# KiCad board PC110.kicad_pcb
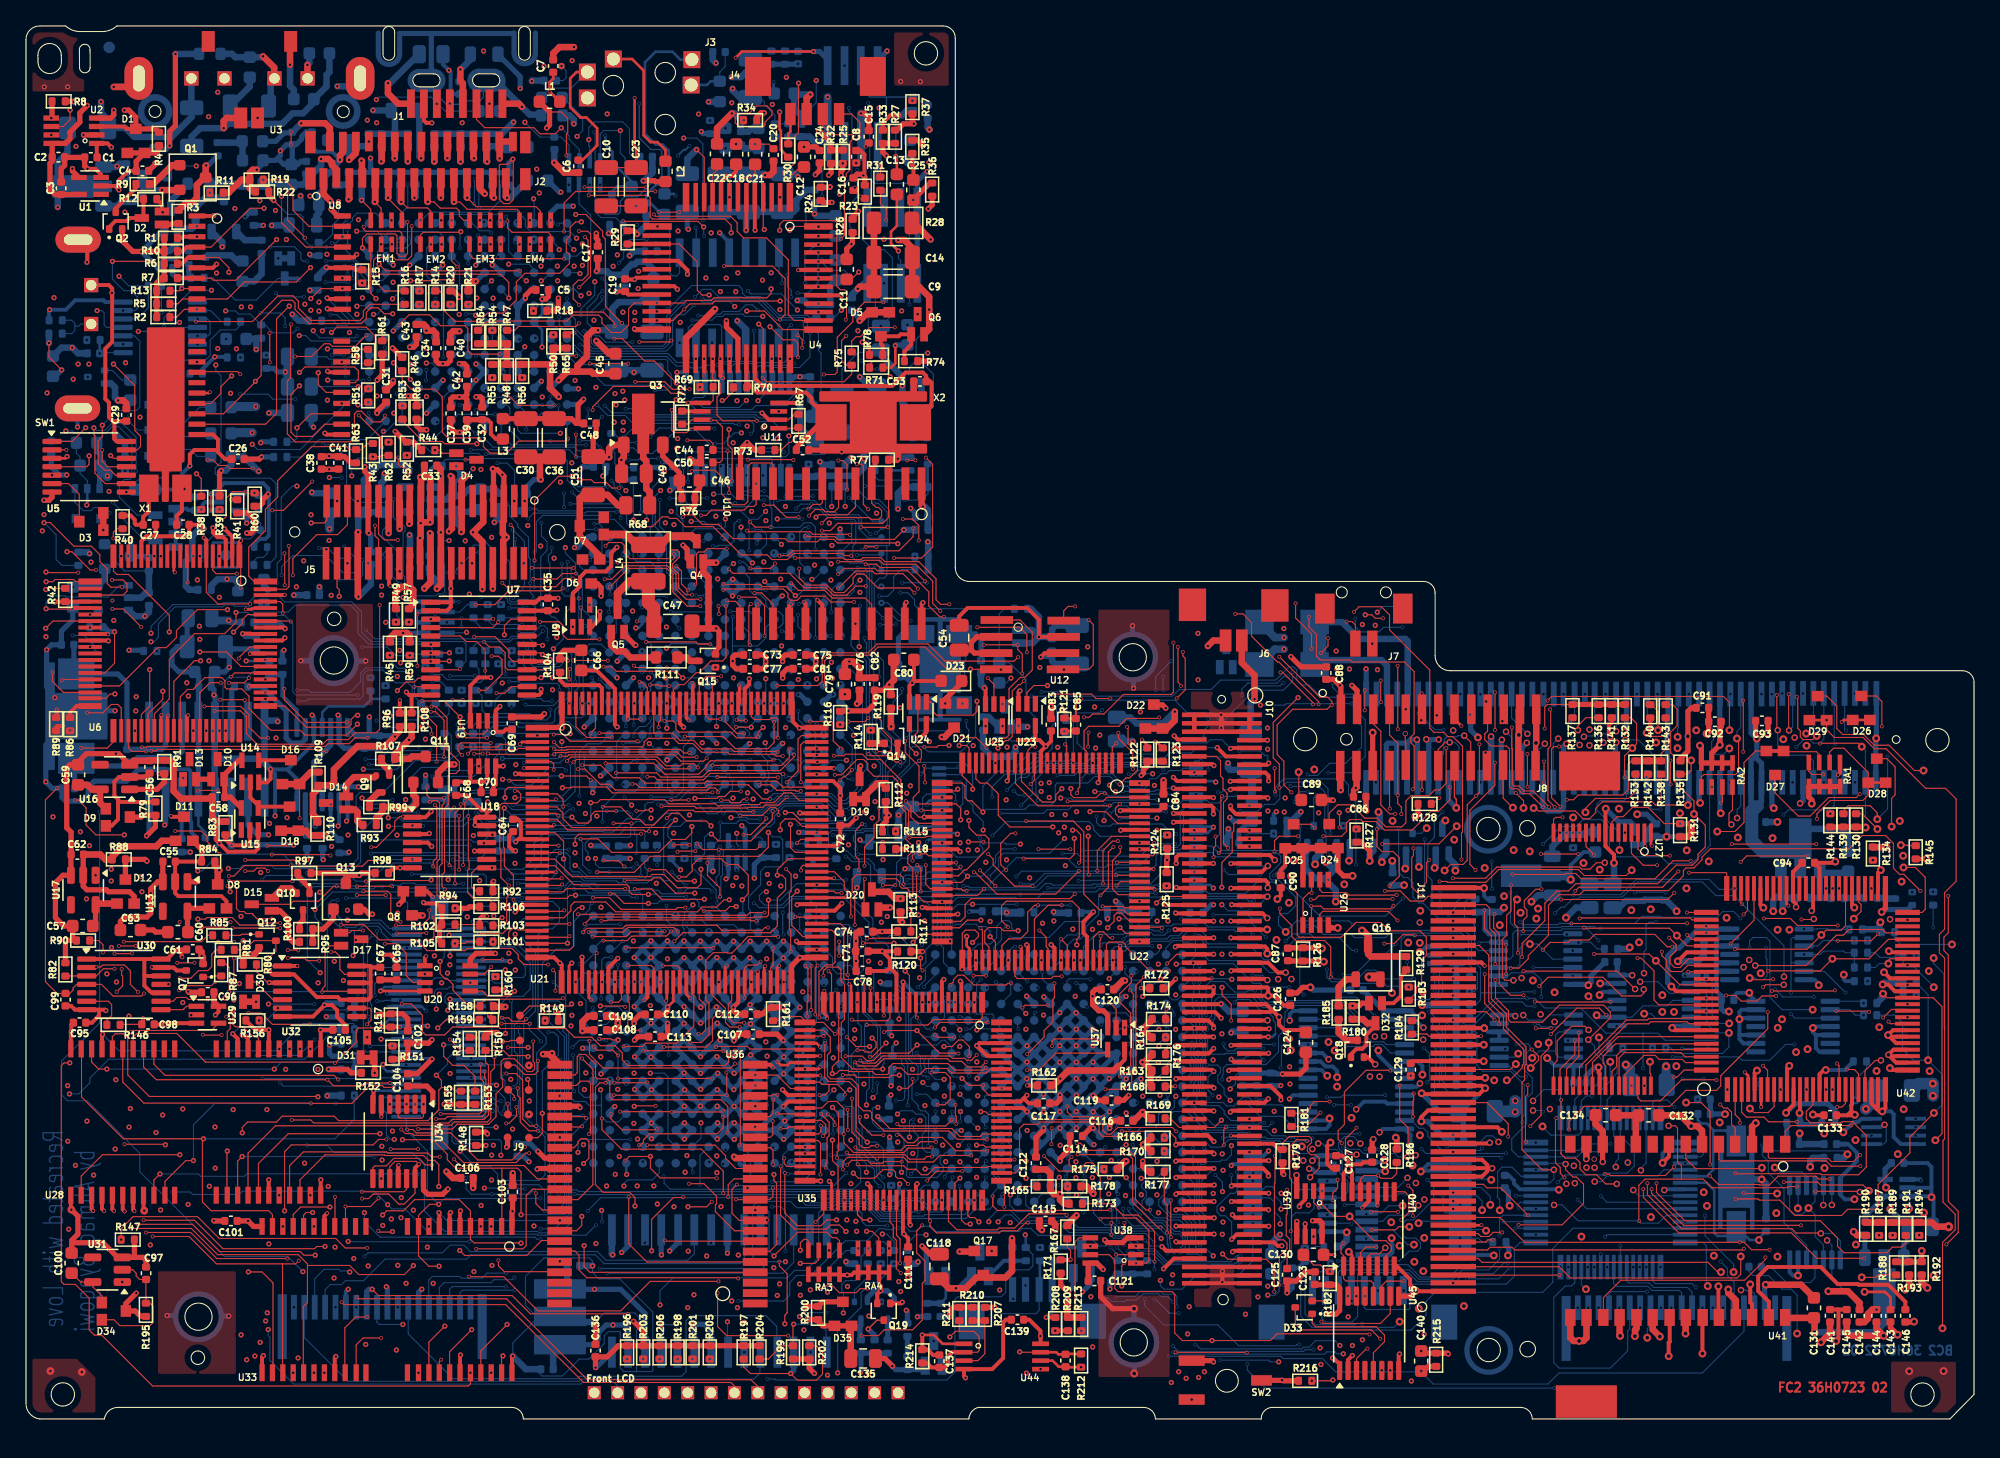
[diagram p0: board, top side]
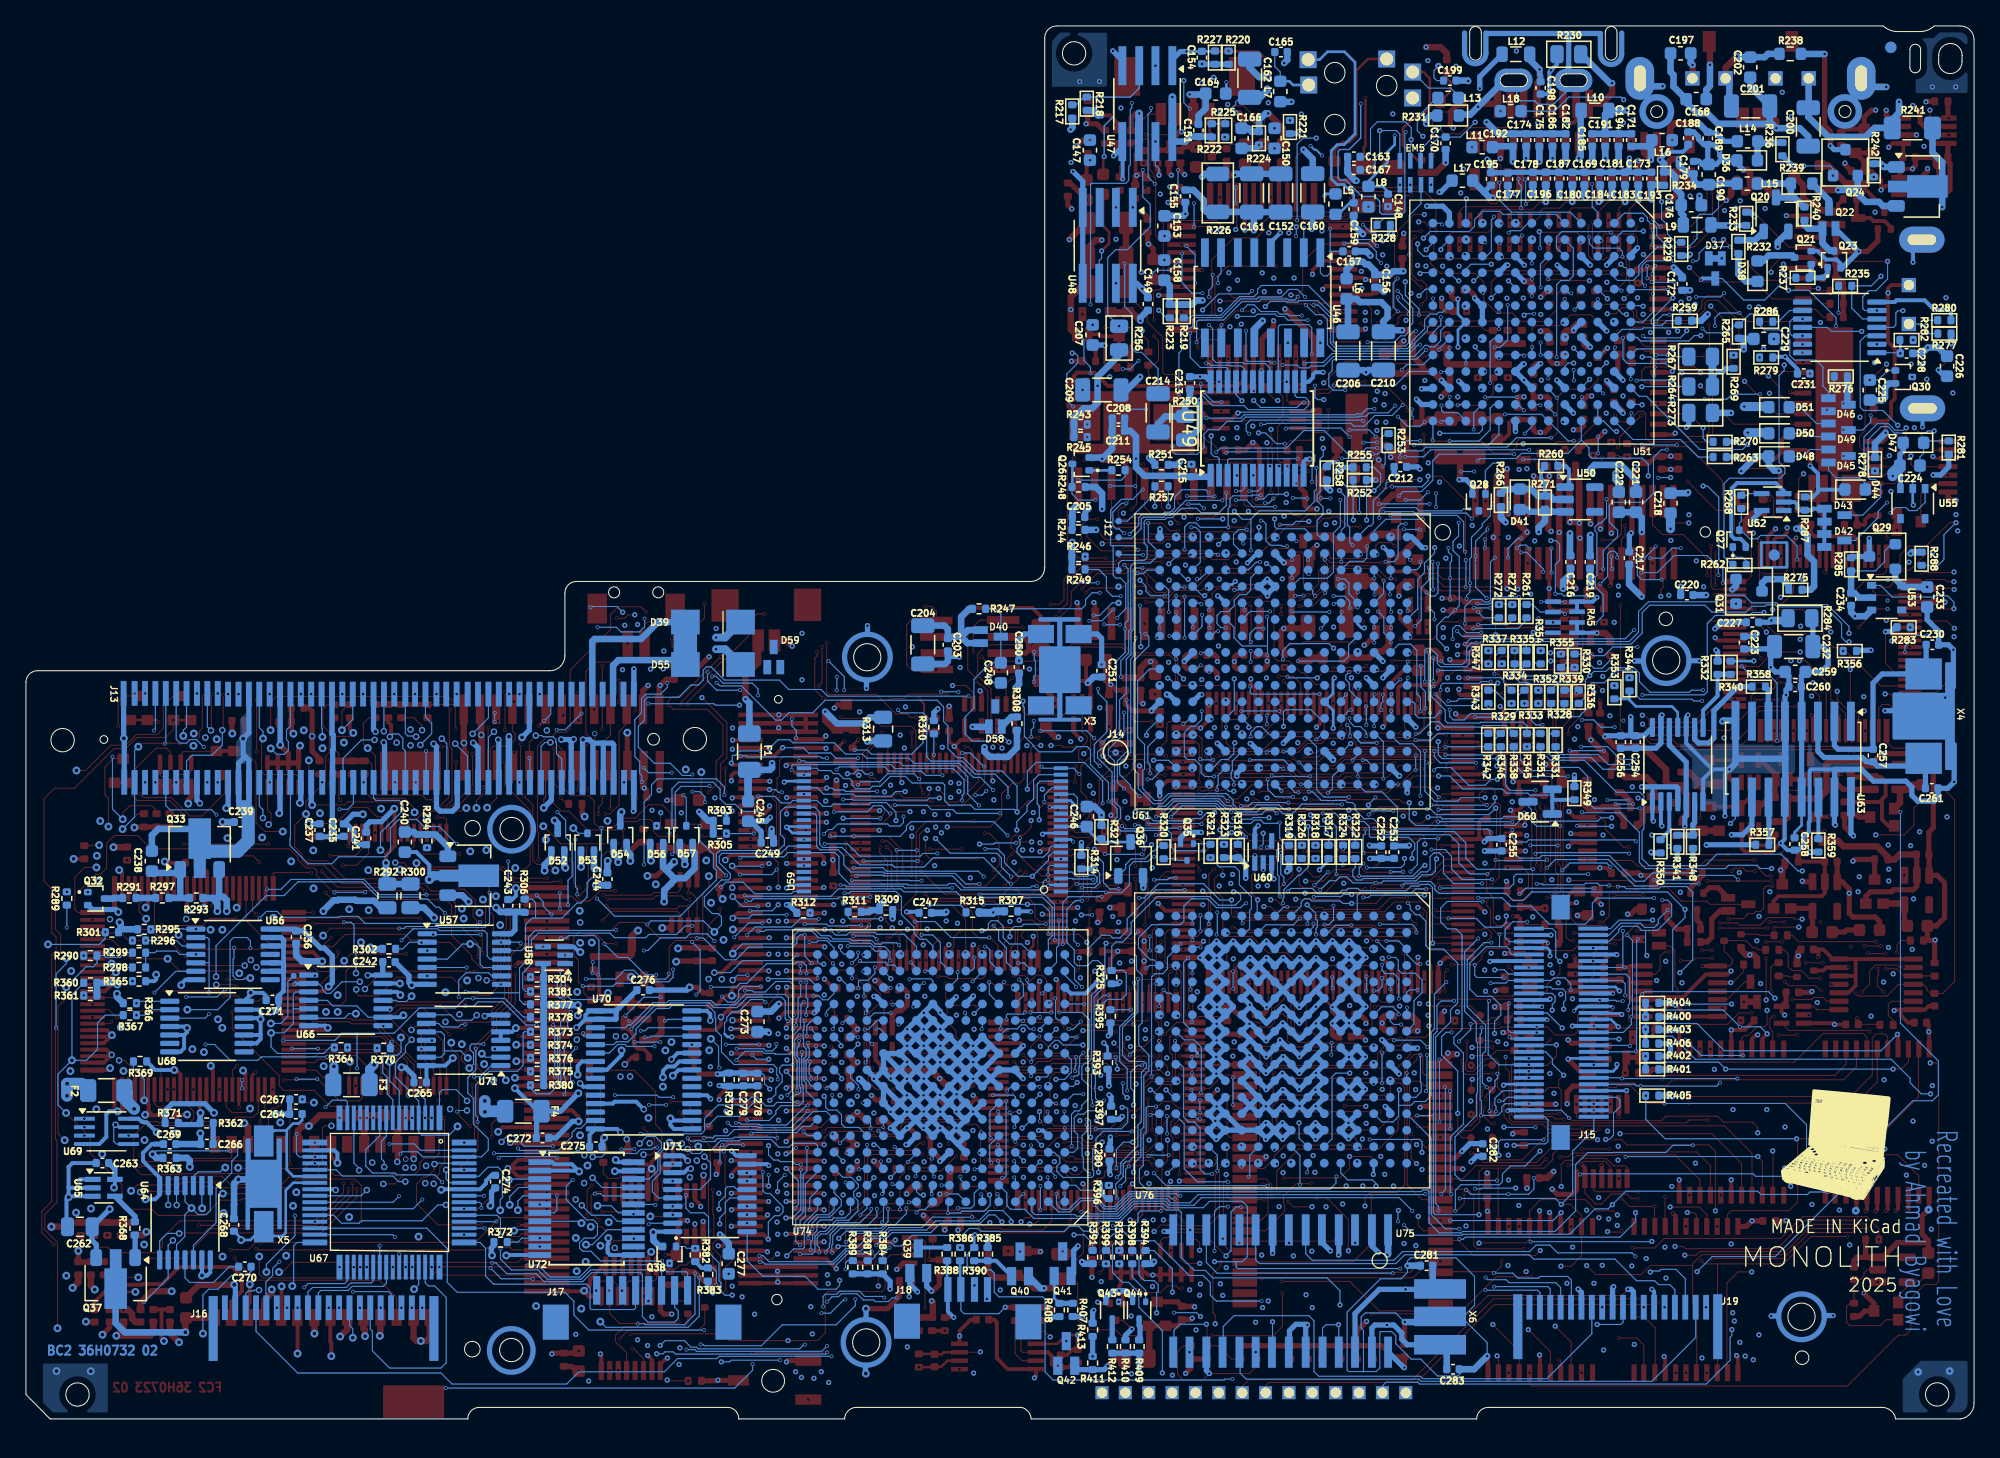
[diagram p1: board, bottom side, seen from below]

Outline 150.05 x 107.35 mm; copper layers: FC2, FC1, IP1 (plane), IC1, IC2, IC3, IC4, IP2 (plane), BC1, BC2. Coordinates in mm from the lower left corner of the outline.
Outline path: circle c2.84,1.89 r0.9 ; circle c13.24,4.72 r0.52 ; circle c13.29,7.88 r1.05 ; circle c20.7,68.36 r0.4 ; circle c23.71,58.45 r1.05 ; circle c23.74,61.66 r0.52 ; circle c40.93,68.33 r0.6 ; circle c69.32,105.24 r0.9 ; circle c85.25,58.7 r1.05 ; circle c85.33,5.9 r1.05 ; circle c92.1,55.46 r0.3 ; circle c92.21,9.2 r0.4 ; circle c92.5,2.94 r0.88 ; circle c98.53,52.39 r0.9 ; circle c101.71,52.38 r0.45 ; circle c112.64,45.46 r0.9 ; circle c112.67,5.31 r0.9 ; circle c115.65,45.52 r0.6 ; circle c115.67,5.38 r0.6 ; circle c144.05,52.36 r0.3 ; circle c146.08,1.88 r0.9 ; circle c147.23,52.31 r0.9 ; 72.62,0 38.31,0 arc(38.04,0.64) 37.4,0.89 7.08,0.89 arc(6.4,0.63) 6.04,0 1.07,0 arc(0.3,0.4) 0,1.21 0,106.3 arc(0.32,107.05) 1.08,107.35 3.06,107.35 arc(3.55,107.04) 4.11,106.92 5.93,106.92 arc(6.5,107.04) 6.99,107.35 70.62,107.35 arc(71.31,107.08) 71.58,106.4 71.58,65.61 arc(71.89,64.85) 72.66,64.54 107.66,64.54 arc(108.29,64.27) 108.54,63.64 108.54,58.8 arc(108.89,57.98) 109.72,57.66 149.19,57.66 arc(149.79,57.4) 150.05,56.79 150.05,1.89 148.19,0 116.02,0 arc(115.76,0.63) 115.13,0.89 95.95,0.89 arc(95.37,0.6) 95.15,0 87,0 arc(86.72,0.63) 86.09,0.89 73.36,0.89 arc(72.85,0.57) 72.62,0 ; 0.92,105.1 0.93,104.58 arc(1.83,103.68) 2.73,104.58 2.72,105.1 arc(1.82,106) 0.92,105.1 ; 4.12,105.53 4.12,104.15 arc(4.54,103.74) 4.95,104.15 4.94,105.53 arc(4.53,105.94) 4.12,105.53
Stack: FC2 0.0175mm / dielectric 0.081mm FR4 er 4.5 / FC1 0.0175mm / dielectric 0.095mm FR4 er 4.5 / IP1 0.0175mm / dielectric 0.103mm FR4 er 4.5 / IC1 0.0175mm / dielectric 0.095mm FR4 er 4.5 / IC2 0.0175mm / dielectric 0.103mm FR4 er 4.5 / IC3 0.0175mm / dielectric 0.095mm FR4 er 4.5 / IC4 0.0175mm / dielectric 0.103mm FR4 er 4.5 / IP2 0.0175mm / dielectric 0.095mm FR4 er 4.5 / BC1 0.0175mm / dielectric 0.081mm FR4 er 4.5 / BC2 0.0175mm

## Placement (name value [footprint] x y rotation side)
C1  DNP  [C_0402_1005Metric]  5 97.22 0 top  (not fitted)
C2  150nF  [C_0402_1005Metric]  2.5 97.24 0 top
C3  100nF  [C_0402_1005Metric]  2.71 94.84 90 top
C4  1nF  [C_0402_1005Metric]  8.97 96.18 0 top
C5  150nF  [C_0402_1005Metric]  39.76 87 0 top
C6  DNP  [C_0402_1005Metric]  42.55 96.53 90 top  (not fitted)
C7  100nF  [C_0402_1005Metric]  40.61 104.26 90 top
C8  150nF  [C_0402_1005Metric]  63.95 97.27 90 top
C9  10uF  [C_1206_3216Metric]  66.79 87.26 0 top
C10  DNP  [C_1206_3216Metric]  44.7 94.96 90 top  (not fitted)
C11  270nF  [C_0603_1608Metric]  63.22 88.59 90 top
C12  250nF  [C_0603_1608Metric]  59.93 97.26 90 top
C13  270nF  [C_0603_1608Metric]  67.08 95.14 90 top
C14  10uF  [C_1206_3216Metric]  66.79 89.51 0 top
C15  1nF  [C_0402_1005Metric]  64.92 98.81 90 top
C16  100pF  [C_0402_1005Metric]  63.73 95.16 90 top
C17  150nF  [C_0402_1005Metric]  44.04 89.91 90 top
C18  270nF  [C_0603_1608Metric]  54.7 97.47 90 top
C19  150nF  [C_0402_1005Metric]  46.15 87.37 90 top
C20  1.5nF  [C_0402_1005Metric]  57.58 97.41 90 top
C21  270nF  [C_0603_1608Metric]  56.16 97.47 90 top
C22  270nF  [C_0603_1608Metric]  53.23 97.49 90 top
C23  10uF  [C_1206_3216Metric]  47 94.96 90 top
C24  DNP  [C_0402_1005Metric]  61.13 97.27 90 top  (not fitted)
C25  270nF  [C_0603_1608Metric]  68.35 94.71 90 top
C26  150nF  [C_0402_1005Metric]  16.33 73.97 0 top
C27  18pF  [C_0402_1005Metric]  9.51 68.91 0 top
C28  18pF  [C_0402_1005Metric]  12.09 68.91 0 top
C29  120nF  [C_0402_1005Metric]  7.73 77.38 90 top
C30  10uF  [C_1206_3216Metric]  38.51 75.61 90 top
C31  150nF  [C_0402_1005Metric]  27.74 78.83 90 top
C32  150nF  [C_0402_1005Metric]  35.14 77.49 90 top
C33  150nF  [C_0402_1005Metric]  31.17 73.47 0 top
C34  1nF  [C_0402_1005Metric]  31.59 82.52 90 top
C35  150nF  [C_0402_1005Metric]  40.2 62.77 90 top
C36  10uF  [C_1206_3216Metric]  40.68 75.61 90 top
C37  1nF  [C_0402_1005Metric]  32.72 77.49 90 top
C38  1nF  [C_0402_1005Metric]  22.77 73.68 90 top
C39  150nF  [C_0402_1005Metric]  33.96 77.49 90 top
C40  1nF  [C_0402_1005Metric]  32.68 82.52 90 top
C41  120nF  [C_0402_1005Metric]  24.07 73.68 90 top
C42  150nF  [C_0402_1005Metric]  33.96 80.05 90 top
C43  1nF  [C_0402_1005Metric]  30.08 83.87 90 top
C44  5.6nF  [C_0402_1005Metric]  52.44 74.67 0 top
C45  270nF  [C_0603_1608Metric]  45.4 81.33 90 top
C46  10nF  [C_0603_1608Metric]  51.11 72.32 0 top
C47  5.6uF  [C_1206_3216Metric]  49.83 61.09 0 top
C48  330nF  [C_0402_1005Metric]  43.44 76.72 0 top
C49  2.2uF  [C_0805_2012Metric]  46.83 72.85 0 top
C50  DNP  [C_0402_1005Metric]  52.44 73.71 0 top  (not fitted)
C51  10uF  [C_1206_3216Metric]  43.69 72.69 90 top
C52  22pF  [C_0402_1005Metric]  59.82 74.67 0 top
C53  22pF  [C_0402_1005Metric]  68.86 79.96 0 top
C54  2.7uF  [C_0805_2012Metric]  71.88 60.21 90 top
C55  100nF  [C_0402_1005Metric]  11.03 42.95 0 top
C56  100nF  [C_0402_1005Metric]  9.52 50.25 90 top
C57  100nF  [C_0603_1608Metric]  4.37 37.99 0 top
C58  100nF  [C_0402_1005Metric]  14.83 47.92 0 top
C59  10nF  [C_0603_1608Metric]  4.01 49.64 90 top
C60  100nF  [C_0603_1608Metric]  11.7 37.52 0 top
C61  180nF  [C_0402_1005Metric]  12.85 36.18 0 top
C62  120nF  [C_0402_1005Metric]  3.96 43.5 0 top
C63  100nF  [C_0603_1608Metric]  8.05 37.68 0 top
C64  1nF  [C_0402_1005Metric]  37.52 45.74 90 top
C65  150nF  [C_0402_1005Metric]  28.54 34.32 90 top
C66  1uF  [C_0603_1608Metric]  42.78 58.46 90 top
C67  100nF  [C_0402_1005Metric]  27.29 34.32 90 top
C68  100nF  [C_0402_1005Metric]  33.13 48.54 90 top
C69  1nF  [C_0402_1005Metric]  37.43 53.62 90 top
C70  100nF  [C_0402_1005Metric]  35.53 48.3 0 top
C71  1nF  [C_0402_1005Metric]  64.39 36.04 0 top
C72  100nF  [C_0402_1005Metric]  62.72 46.22 90 top
C73  120nF  [C_0402_1005Metric]  55.75 58.88 0 top
C74  180nF  [C_0402_1005Metric]  64.76 37.55 0 top
C75  100nF  [C_0402_1005Metric]  59.57 58.88 0 top
C76  100nF  [C_0402_1005Metric]  64.2 56.64 90 top
C77  1nF  [C_0402_1005Metric]  55.75 57.81 0 top
C78  1nF  [C_0402_1005Metric]  64.43 34.52 0 top
C79  1uF  [C_0603_1608Metric]  63.08 56.62 90 top
C80  1uF  [C_0603_1608Metric]  67.62 58.5 0 top  (not fitted)
C81  1nF  [C_0402_1005Metric]  59.57 57.81 0 top
C82  100nF  [C_0402_1005Metric]  65.37 56.64 90 top
C83  100nF  [C_0402_1005Metric]  78.95 53.5 90 top
C84  100nF  [C_0402_1005Metric]  87.62 47.68 90 top
C85  1nF  [C_0402_1005Metric]  80.87 53.5 90 top
C86  180nF  [C_0402_1005Metric]  102.73 47.95 0 top
C87  120nF  [C_0402_1005Metric]  97.2 35.8 90 top
C88  180nF  [C_0402_1005Metric]  100.15 57.48 90 top
C89  470nF  [C_0603_1608Metric]  99.01 47.7 0 top
C90  120nF  [C_0402_1005Metric]  96.65 41.41 90 top
C91  100nF  [C_0402_1005Metric]  129.13 54.8 0 top
C92  120nF  [C_0402_1005Metric]  130.09 53.73 0 top
C93  100nF  [C_0402_1005Metric]  133.71 53.8 0 top
C94  100nF  [C_0402_1005Metric]  137.29 42.86 0 top
C95  150nF  [C_0402_1005Metric]  4.13 30.54 0 top
C96  150nF  [C_0402_1005Metric]  14 32.88 0 top
C97  100nF  [C_0402_1005Metric]  9.25 11.23 90 top
C98  330pF  [C_0402_1005Metric]  9.4 30.41 0 top
C99  100pF  [C_0402_1005Metric]  3.05 32.31 90 top
C100  10nF  [C_0603_1608Metric]  3.52 12.01 90 top
C101  180nF  [C_0402_1005Metric]  15.79 15.26 0 top
C102  120nF  [C_0402_1005Metric]  29.41 29.44 90 top
C103  150nF  [C_0402_1005Metric]  37.49 17.51 90 top
C104  150nF  [C_0402_1005Metric]  29.42 26.13 90 top
C105  150nF  [C_0402_1005Metric]  24.12 29.98 0 top
C106  1nF  [C_0402_1005Metric]  33.97 18.57 0 top
C107  1nF  [C_0402_1005Metric]  56.01 29.65 0 top
C108  150nF  [C_0402_1005Metric]  44.24 29.97 0 top
C109  180nF  [C_0402_1005Metric]  44.24 31.05 0 top
C110  1nF  [C_0402_1005Metric]  48.17 31.17 0 top
C111  1nF  [C_0402_1005Metric]  67.95 12.78 90 top
C112  150nF  [C_0402_1005Metric]  55.84 31.2 0 top
C113  120nF  [C_0402_1005Metric]  48.45 29.46 0 top
C114  100nF  [C_0402_1005Metric]  80.9 21.8 180 top
C115  100nF  [C_0402_1005Metric]  78.53 15.25 180 top
C116  100nF  [C_0402_1005Metric]  84.8 22.98 180 top
C117  100nF  [C_0402_1005Metric]  78.39 24.33 180 top
C118  2.7uF  [C_0805_2012Metric]  70.36 11.75 90 top
C119  100nF  [C_0402_1005Metric]  83.62 24.55 180 top
C120  100nF  [C_0402_1005Metric]  83.3 33.1 180 top
C121  100nF  [C_0402_1005Metric]  82.3 10.64 0 top
C122  100nF  [C_0402_1005Metric]  77.8 19.71 90 top
C123  150nF  [C_0402_1005Metric]  99.27 10.85 90 top
C124  150nF  [C_0603_1608Metric]  98.59 29.02 90 top
C125  1nF  [C_0402_1005Metric]  97.14 11.11 90 top
C126  150nF  [C_0402_1005Metric]  97.38 32.35 90 top
C127  100nF  [C_0402_1005Metric]  100.91 19.81 90 top
C128  150nF  [C_0402_1005Metric]  103.69 20.27 90 top
C129  100nF  [C_0402_1005Metric]  106.66 26.92 90 top
C130  1uF  [C_0603_1608Metric]  99.17 12.65 0 top
C131  10nF  [C_0603_1608Metric]  137.72 8.56 90 top
C132  100nF  [C_0603_1608Metric]  124.98 23.4 0 top
C133  100nF  [C_0402_1005Metric]  138.97 23.4 0 top
C134  150nF  [C_0603_1608Metric]  121.67 23.41 0 top
C135  2.7uF  [C_0805_2012Metric]  64.48 4.66 0 top
C136  150nF  [C_0402_1005Metric]  43.87 5.27 90 top
C137  1nF  [C_0402_1005Metric]  70.35 4.45 90 top
C138  1nF  [C_0402_1005Metric]  80.07 4.5 90 top
C139  100nF  [C_0402_1005Metric]  76.37 7.65 0 top
C140  1uF  [C_0603_1608Metric]  107.47 4.46 90 top
C141  100nF  [C_0402_1005Metric]  138.96 7.95 90 top
C142  150nF  [C_0402_1005Metric]  141.23 7.95 90 top
C143  150nF  [C_0402_1005Metric]  143.61 7.95 90 top
C144  100pF  [C_0402_1005Metric]  142.54 7.95 90 top
C145  100pF  [C_0402_1005Metric]  140.24 7.95 90 top
C146  100nF  [C_0402_1005Metric]  144.76 7.95 90 top
C147  1uF  [C_0603_1608Metric]  68.1 97.78 90 bottom
C148  DNP  [C_0402_1005Metric]  45.14 93.91 90 bottom
C149  100nF  [C_0402_1005Metric]  63.63 85.92 90 bottom
C150  10nF  [C_0603_1608Metric]  53.88 98.69 90 bottom
C151  150nF  [C_0402_1005Metric]  59.74 99.3 90 bottom
C152  10uF  [C_1206_3216Metric]  53.4 94.48 90 bottom
C153  1uF  [C_0603_1608Metric]  62.36 91.94 90 bottom
C154  100pF  [C_0402_1005Metric]  59.47 104.91 90 bottom
C155  150nF  [C_0402_1005Metric]  60.75 94.23 90 bottom
C156  100nF  [C_0402_1005Metric]  46.13 87.7 90 bottom
C157  150nF  [C_0402_1005Metric]  48.13 89.98 180 bottom
C158  1uF  [C_0603_1608Metric]  62.37 88.53 90 bottom
C159  DNP  [C_0402_1005Metric]  47.78 93.23 90 bottom
C160  10uF  [C_1206_3216Metric]  50.94 94.49 90 bottom
C161  10uF  [C_1206_3216Metric]  55.64 94.48 90 bottom
C162  10uF  [C_1206_3216Metric]  55.79 103.32 90 bottom
C163  220pF  [C_0402_1005Metric]  47.77 97.27 180 bottom
C164  330nF  [C_0603_1608Metric]  58.41 102.14 180 bottom
C165  DNP  [C_0402_1005Metric]  53.38 105.34 180 bottom
C166  300nF  [C_0603_1608Metric]  56.42 98.69 90 bottom
C167  220pF  [C_0402_1005Metric]  47.77 96.26 180 bottom
C168  1uF  [C_0603_1608Metric]  21.4 101.71 180 bottom
C169  56pF  [C_0402_1005Metric]  30.02 95.59 90 bottom
C170  220pF  [C_0402_1005Metric]  40.7 98.31 270 bottom
C171  56pF  [C_0402_1005Metric]  26.4 98.56 90 bottom
C172  100nF  [C_0402_1005Metric]  22.48 87.46 270 bottom
C173  56pF  [C_0402_1005Metric]  25.86 95.59 90 bottom
C174  56pF  [C_0402_1005Metric]  34.5 98.56 90 bottom
C175  56pF  [C_0402_1005Metric]  33.49 98.56 90 bottom
C176  470nF  [C_0603_1608Metric]  21.78 93.54 180 bottom
C177  56pF  [C_0402_1005Metric]  35.9 95.54 270 bottom
C178  56pF  [C_0402_1005Metric]  33.99 95.59 90 bottom
C179  1nF  [C_0402_1005Metric]  21.58 96.43 90 bottom
C180  56pF  [C_0402_1005Metric]  30.95 95.59 90 bottom
C181  56pF  [C_0402_1005Metric]  27.87 95.59 90 bottom
C182  56pF  [C_0402_1005Metric]  31.46 98.56 90 bottom
C183  56pF  [C_0402_1005Metric]  26.88 95.59 90 bottom
C184  56pF  [C_0402_1005Metric]  28.8 95.59 90 bottom
C185  56pF  [C_0402_1005Metric]  29.41 98.56 90 bottom
C186  56pF  [C_0402_1005Metric]  32.48 98.56 90 bottom
C187  56pF  [C_0402_1005Metric]  31.95 95.59 90 bottom
C188  1nF  [C_0402_1005Metric]  22.01 98.7 90 bottom
C189  100nF  [C_0402_1005Metric]  20.51 98.69 90 bottom
C190  10nF  [C_0603_1608Metric]  20.44 95.9 90 bottom
C191  56pF  [C_0402_1005Metric]  28.41 98.56 90 bottom
C192  56pF  [C_0402_1005Metric]  35.53 98.56 90 bottom
C193  56pF  [C_0402_1005Metric]  24.85 95.59 90 bottom
C194  56pF  [C_0402_1005Metric]  27.37 98.56 90 bottom
C195  56pF  [C_0402_1005Metric]  37.2 95.56 270 bottom
C196  56pF  [C_0402_1005Metric]  32.99 95.59 90 bottom
C197  300nF  [C_0603_1608Metric]  22.6 105.24 180 bottom
C198  120nF  [C_0402_1005Metric]  33.38 102.58 270 bottom
C199  220pF  [C_0402_1005Metric]  40.38 103.14 180 bottom
C200  10uF  [C_1206_3216Metric]  12.77 99.57 90 bottom
C201  10uF  [C_1206_3216Metric]  17.21 101.18 180 bottom
C202  150nF  [C_0603_1608Metric]  17.24 104.17 90 bottom
C203  150nF  [C_0402_1005Metric]  79.04 59.66 270 bottom
C204  10uF  [C_1206_3216Metric]  80.97 59.66 270 bottom
C205  150nF  [C_0402_1005Metric]  68.98 69.51 180 bottom
C206  10uF  [C_1206_3216Metric]  48.22 82.3 90 bottom
C207  300nF  [C_0603_1608Metric]  67.89 83.54 90 bottom
C208  1nF  [C_0402_1005Metric]  65.9 77.11 180 bottom
C209  10uF  [C_1206_3216Metric]  67.18 79.3 180 bottom
C210  10uF  [C_1206_3216Metric]  45.49 82.31 90 bottom
C211  150nF  [C_0402_1005Metric]  65.91 76.15 180 bottom
C212  150nF  [C_0402_1005Metric]  44.19 73.37 180 bottom
C213  100nF  [C_0402_1005Metric]  60.4 79.84 270 bottom
C214  10uF  [C_1206_3216Metric]  62.85 77.54 270 bottom
C215  100nF  [C_0402_1005Metric]  60.28 73.09 90 bottom
C216  150nF  [C_0402_1005Metric]  31.08 66.04 270 bottom
C217  150nF  [C_0402_1005Metric]  26.57 66.34 270 bottom
C218  150nF  [C_0603_1608Metric]  23.38 70.57 90 bottom
C219  150nF  [C_0402_1005Metric]  29.58 66.04 270 bottom
C220  150nF  [C_0402_1005Metric]  22.12 63.49 180 bottom
C221  150nF  [C_0603_1608Metric]  26.03 70.65 90 bottom
C222  10nF  [C_0603_1608Metric]  27.36 70.65 90 bottom
C223  150nF  [C_0402_1005Metric]  17.71 59.82 90 bottom
C224  10nF  [C_0603_1608Metric]  4.94 73.47 180 bottom
C225  1uF  [C_0603_1608Metric]  8.03 79.29 270 bottom
C226  1uF  [C_0603_1608Metric]  2.08 81.13 270 bottom
C227  150nF  [C_0402_1005Metric]  17.07 61.39 180 bottom
C228  100pF  [C_0402_1005Metric]  5.2 82.12 180 bottom
C229  1uF  [C_0603_1608Metric]  16.19 83.23 180 bottom
C230  DNP  [C_0402_1005Metric]  3.21 59.66 0 bottom  (not fitted)
C231  150nF  [C_0402_1005Metric]  13.12 80.56 180 bottom
C232  10uF  [C_1206_3216Metric]  13.89 59.52 180 bottom
C233  330nF  [C_0603_1608Metric]  3.61 63.34 270 bottom
C234  150nF  [C_0402_1005Metric]  9.47 63.17 90 bottom
C235  150nF  [C_0402_1005Metric]  125.57 45.38 90 bottom
C236  100nF  [C_0402_1005Metric]  129.24 37.13 270 bottom
C237  150nF  [C_0402_1005Metric]  127.43 45.38 90 bottom
C238  1uF  [C_0603_1608Metric]  140.35 42.99 90 bottom
C239  150nF  [C_0402_1005Metric]  133.53 46 180 bottom
C240  300nF  [C_0603_1608Metric]  120.87 44.46 270 bottom
C241  100nF  [C_0402_1005Metric]  123.85 44.74 90 bottom
C242  100nF  [C_0402_1005Metric]  122.09 35.21 0 bottom
C243  120nF  [C_0402_1005Metric]  112.91 39.55 90 bottom
C244  120nF  [C_0402_1005Metric]  105.27 41.61 90 bottom
C245  10nF  [C_0603_1608Metric]  94.43 46.83 90 bottom
C246  150nF  [C_0603_1608Metric]  68.34 46.42 90 bottom
C247  1nF  [C_0402_1005Metric]  80.78 39 180 bottom
C248  1uF  [C_0603_1608Metric]  74.96 57.5 90 bottom
C249  150nF  [C_0402_1005Metric]  92.94 44.41 180 bottom
C250  18pF  [C_0402_1005Metric]  73.56 57.95 90 bottom
C251  18pF  [C_0402_1005Metric]  67.2 57.66 90 bottom
C252  1nF  [C_0402_1005Metric]  45.66 43.68 90 bottom
C253  150nF  [C_0402_1005Metric]  44.68 43.68 90 bottom
C254  1nF  [C_0402_1005Metric]  26.07 52.17 90 bottom
C255  120nF  [C_0402_1005Metric]  36.39 44.25 90 bottom
C256  150nF  [C_0402_1005Metric]  27.21 52.17 90 bottom
C257  DNP  [C_0402_1005Metric]  7.78 51.13 90 bottom  (not fitted)
C258  220pF  [C_0402_1005Metric]  13.82 44.31 90 bottom
C259  330nF  [C_0603_1608Metric]  13.77 57.57 180 bottom
C260  1nF  [C_0402_1005Metric]  13.78 56.42 180 bottom
C261  DNP  [C_0402_1005Metric]  3.26 48.6 180 bottom  (not fitted)
C262  1.5uF  [C_0805_2012Metric]  145.9 14.81 180 bottom
C263  100nF  [C_0402_1005Metric]  144.16 19.72 180 bottom
C264  56pF  [C_0402_1005Metric]  129.26 23.5 180 bottom
C265  150nF  [C_0402_1005Metric]  119.69 25.93 180 bottom
C266  180pF  [C_0402_1005Metric]  136.12 21.18 180 bottom
C267  DNP  [C_0402_1005Metric]  129.25 24.63 180 bottom
C268  56pf  [C_0402_1005Metric]  134.03 14.95 270 bottom
C269  220pF  [C_0402_1005Metric]  138.98 21.18 180 bottom
C270  DNP  [C_0402_1005Metric]  133.19 11.73 180 bottom  (not fitted)
C271  150nF  [C_0402_1005Metric]  131.07 32.28 180 bottom
C272  150nF  [C_0402_1005Metric]  110.26 21.66 180 bottom
C273  150nF  [C_0603_1608Metric]  93.71 30.62 270 bottom
C274  100nF  [C_0402_1005Metric]  113.91 18.29 270 bottom
C275  100nF  [C_0402_1005Metric]  106.16 20.98 180 bottom
C276  100nF  [C_0402_1005Metric]  102.51 33.05 180 bottom
C277  1uF  [C_0603_1608Metric]  95.92 11.96 270 bottom
C278  150nF  [C_0402_1005Metric]  93.71 26.15 270 bottom
C279  120nF  [C_0402_1005Metric]  94.79 26.15 90 bottom
C280  100nF  [C_0402_1005Metric]  66.59 20.34 90 bottom
C281  39pF  [C_0402_1005Metric]  42.17 11.81 180 bottom
C282  150nF  [C_0402_1005Metric]  37.85 20.72 90 bottom
C283  39pF  [C_0402_1005Metric]  40.13 3.83 180 bottom
D1  -  [3D]  8.51 98.29 0 top
D2  K  [SOT-416L]  9.72 92.6 90 top
D3  -  [3D]  5.23 69.2 90 top
D4  N  [SOT-416L]  33.9 73.87 270 top
D5  -  [3D]  65.8 84.56 180 top
D6  Q  [3D]  43.49 65.51 180 top
D7  Q  [3D]  43.78 68.86 90 top
D8  DNP  [3D]  14.82 40.07 0 top  (not fitted)
D9  DNP  [3D]  6.88 46.33 270 top  (not fitted)
D10  K  [SOT-416L]  14.82 50.05 0 top
D11  DNP  [3D]  12.23 45.28 0 top  (not fitted)
D12  DNP  [3D]  7.71 40.44 0 top  (not fitted)
D13  K  [SOT-416L]  12.65 50.05 0 top
D14  N  [SOT-416L]  23.91 47.52 90 top
D15  N  [SOT-416L]  18.19 39.71 90 top
D16  -  [3D]  20.45 49.65 0 top
D17  N  [SOT-416L]  25.02 36.92 270 top
D18  -  [3D]  20.35 46.06 0 top
D19  N  [SOT-416L]  64.26 48.52 0 top
D20  3D  [SOT-416L]  65.21 40.01 0 top
D21  -  [3D]  71.44 54.41 180 top
D22  -  [3D]  86.92 53.93 0 top
D23  92  [D_0603_1608Metric]  71.28 56.87 180 top
D24  -  [3D]  100.43 44.72 0 top
D25  -  [3D]  97.7 44.71 0 top
D26  -  [3D]  141.4 54.59 0 top
D27  -  [3D]  134.68 50.75 180 top
D28  -  [3D]  142.61 49.76 0 top
D29  -  [3D]  138.07 54.58 0 top
D30  N  [SOT-416L]  17.27 32.9 0 top
D31  N  [SOT-416L]  26.33 28.61 0 top
D32  K  [SOT-416L]  103.9 31.29 180 top
D33  N  [SOT-416]  98.42 8.6 180 top
D34  DNP  [3D]  6.57 8.27 270 top  (not fitted)
D35  -  [3D]  62.97 7.9 0 top
D36  71  [D_0603_1608Metric]  17.47 96.99 0 bottom
D37  N  [SOT-416L]  19.98 88.69 0 bottom
D38  40  [D_0603_1608Metric]  16.68 88.45 90 bottom
D39  s.3 5F  [Diode]  97.11 61.36 0 bottom
D40  N  [SOT-416L]  75.76 60.24 270 bottom
D41  24  [D_0603_1608Metric]  34.98 70.87 270 bottom
D42  N  [SOT-416L]  10.78 67.65 270 bottom
D43  N  [SOT-416L]  10.77 69.6 270 bottom
D44  83  [D_0603_1608Metric]  9.16 71.62 180 bottom
D45  N  [SOT-416L]  10.46 74.16 270 bottom